# Altium PCB MB1936.PcbDoc (part 4 of 13)
Units mm, origin at the board's own origin, x right, y up, seen from the top; angles counter-clockwise.
Board outline 172 x 137 mm, 6 copper layers (Top Layer, Signal Layer 1, Signal Layer 2, Signal Layer 3, Signal Layer 4, Bottom Layer), stack 1.549 mm thick; 859 components, 672 nets, 3477 pads, 2222 vias.
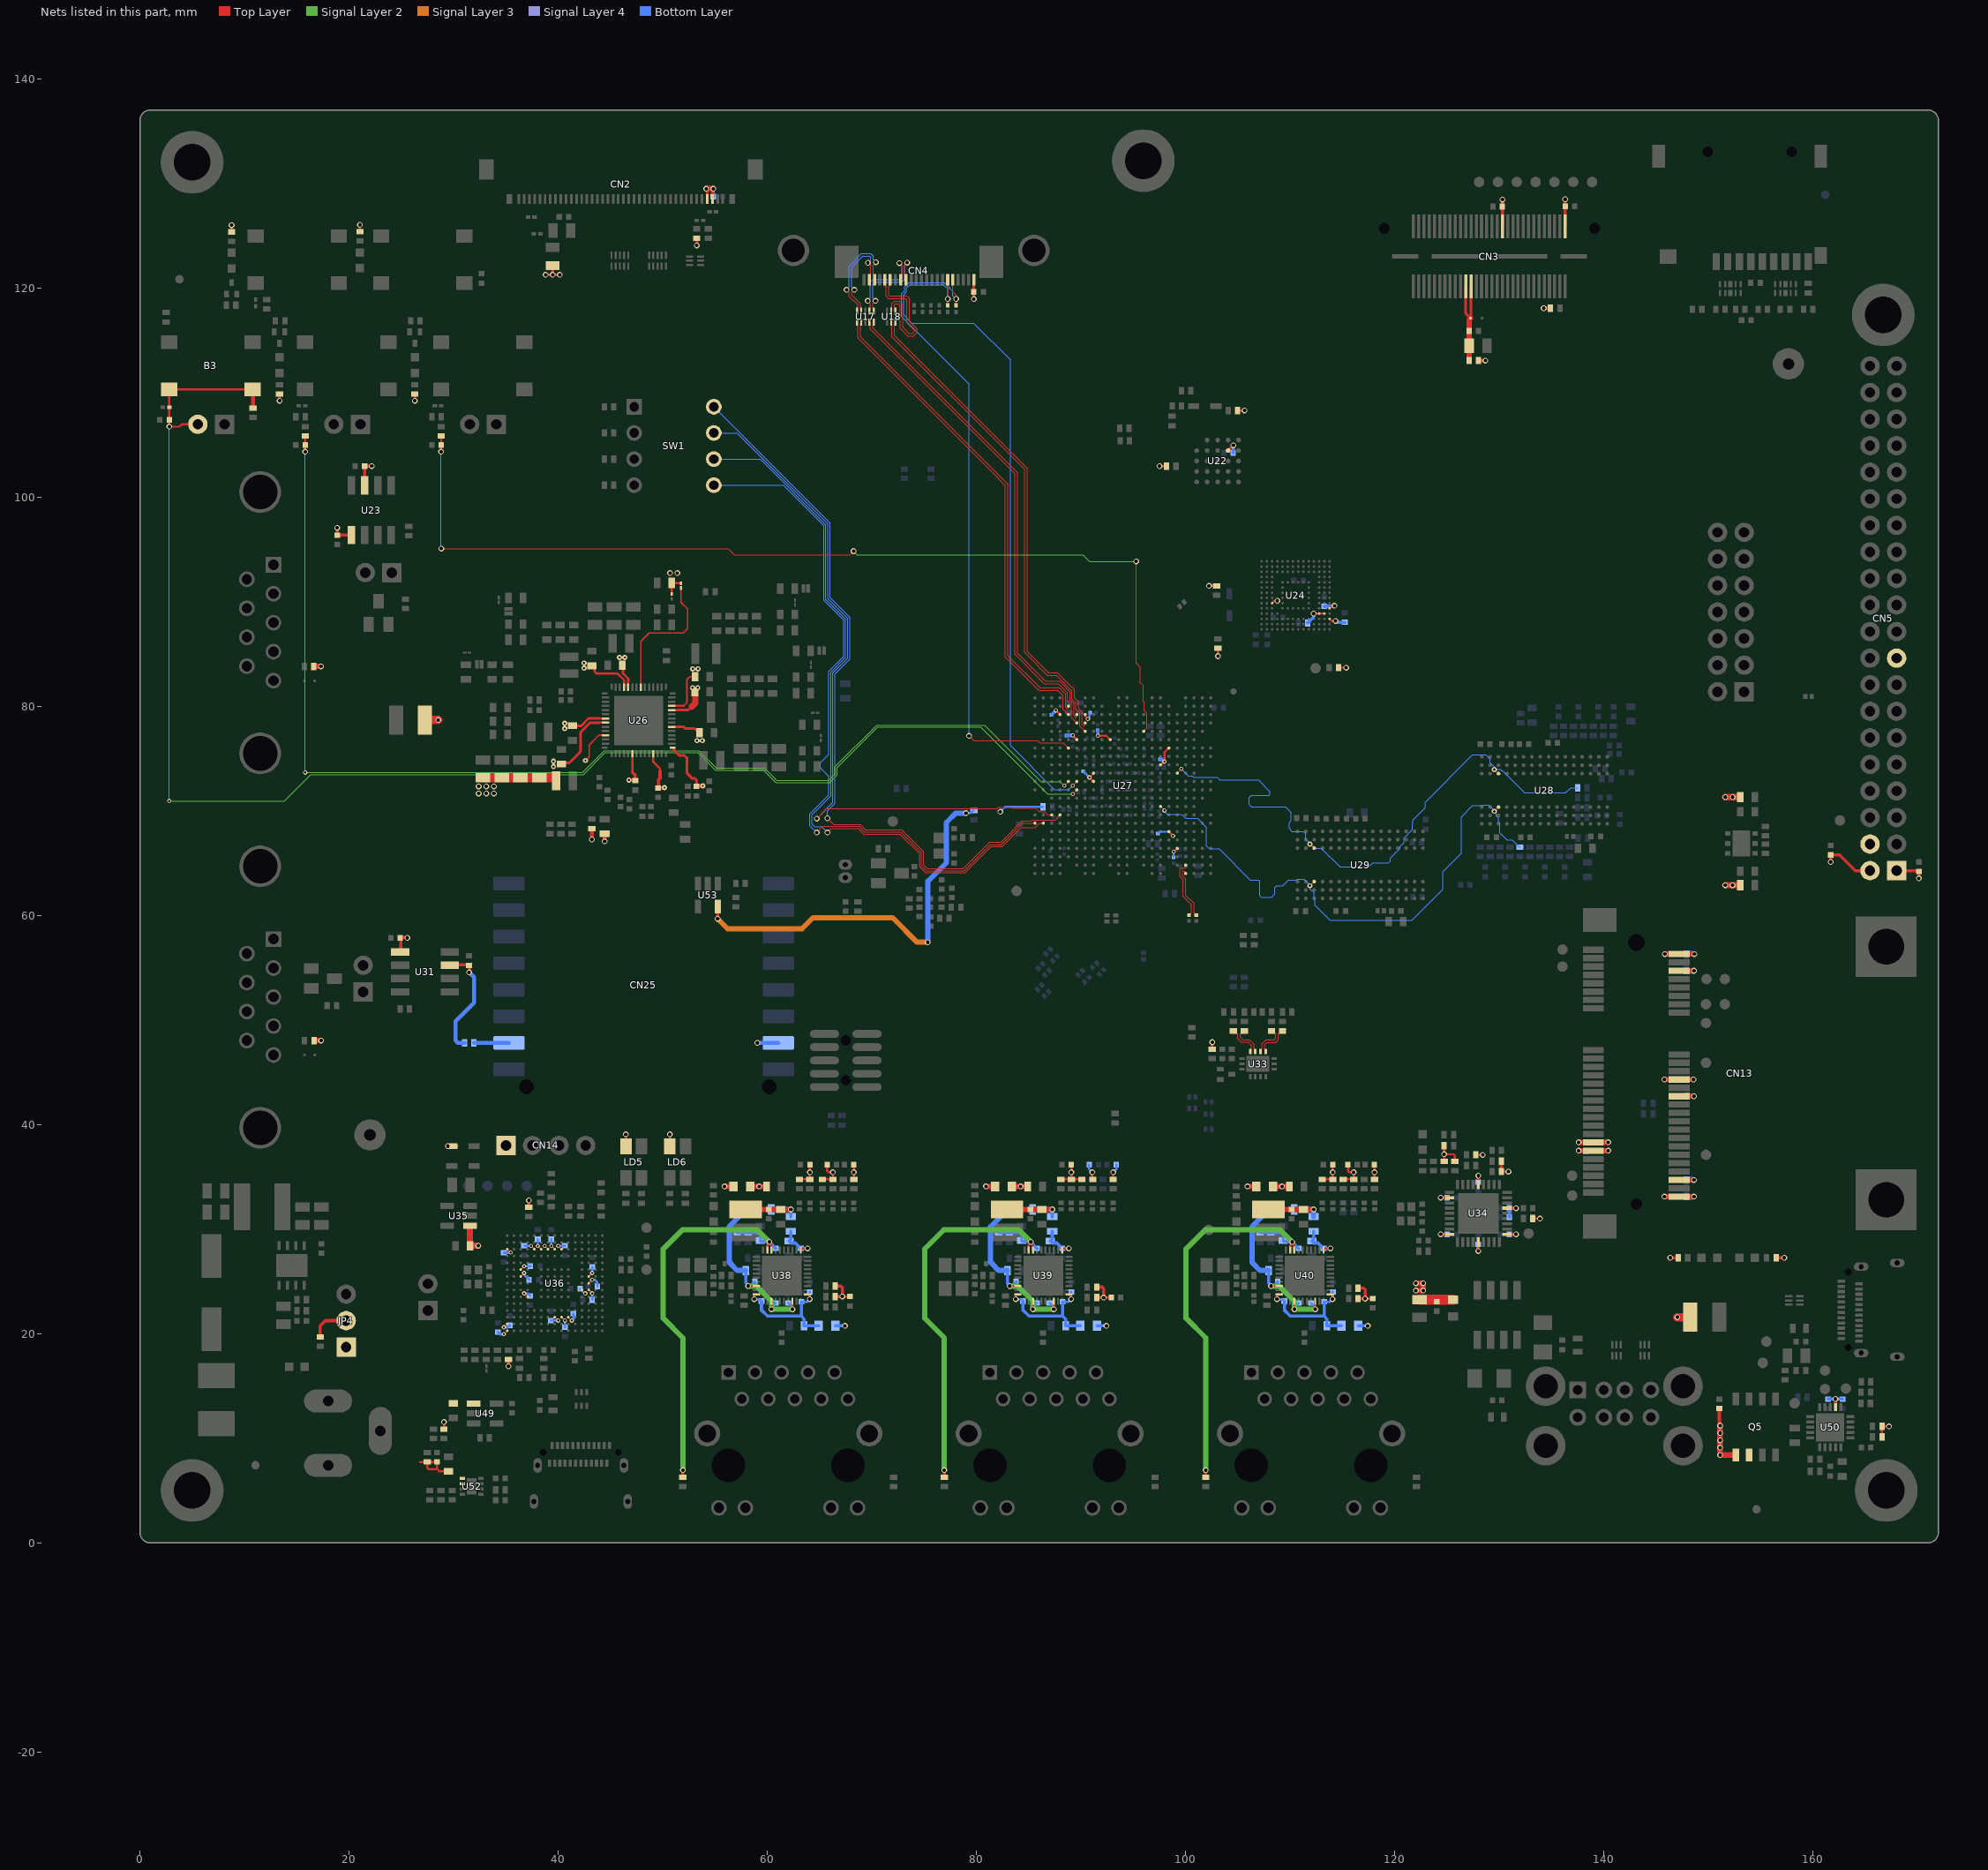
[diagram p8: the nets of this part, all layers, seen from the top]

## Part data (continued)
R93 R182 R183 R184 R188 R189 R190 R289: library part MCD-00052, "Resistor,0R,0402,5%,1/16W", Manufacturer=YAGEO, Manufacturer_Part_Number=RC0402JR-070RL, Package=0402, Component_Country_Of_Origin=China, ComponentLink1Description=Datasheet, ComponentLink1URL=http://tunmcdsvn.tun.st.com/Component_Documentation_Library/Trunk/Resistor/YAGEO_RC_L_Series, ECCN_EU=n/a, ECCN_US=n/a, ID=2540, Initial_Board_Reference=mb1274, Internal_Part_Number=MCD-00052, Order_Code_Digikey=311-0.0JRCT-ND, Order_Code_Farnell=9232516RL, Order_Code_RS=618-5804, Part_Preference=Recommended, Part_Type=Resistor, Provided_By=SUBCO, ShowFields=YES, Status=Released
R94 R135 R136 R137 R138 R139 R140 R141 R142 R143 R144 R145 R146 R147 R148 R149 R150 R151 R152 R161 R162 R163 R164 R165 R166 R167 R168 R169 R173 R174 R175 R176 R177 R178 R179 R180 R185 R186 R187 R196 R197 R198 R247: library part MCD-02978, "Resistor, 22R, 0201, +/-1%, 1/20W", Manufacturer=YAGEO, Manufacturer_Part_Number=RC0201FR-0722RL, Package=0201, ComponentLink1URL=http://tunmcdsvn.tun.st.com/Component_Documentation_Library/Trunk/Resistor/YAGEO_RC_L_Series, ID=5094, Internal_Part_Number=MCD-02978, Order_Code_Digikey=YAG2518TR-ND, Order_Code_Farnell=2693564, Order_Code_RS=198-7593, Part_Preference=Recommended, Part_Type=Resistor, ShowFields=YES, Status=New
R95 R97 R98 R99 R100 R102 R105 R217 R218 R227 R229 R239: library part MCD-00059, "Resistor, 100K, 0402, +/-1%, 1/16W", Manufacturer=YAGEO, Manufacturer_Part_Number=RC0402FR-07100KL, Package=0402, Component_Country_Of_Origin=China, ComponentLink1URL=http://tunmcdsvn.tun.st.com/Component_Documentation_Library/Trunk/Resistor/YAGEO_RC_L_Series, ID=2533, Internal_Part_Number=MCD-00059, Order_Code_Digikey=311-100KLRTR-ND, Order_Code_Farnell=2421891, Order_Code_RS=N/A, Part_Preference=Recommended, Part_Type=Resistor, ShowFields=YES, Status=Released
R108 R109 R110 R111 R112 R113 R114 R115 R116 R117 R118 R119 R120 R121 R122 R123 R124 R292 R293 R294 R295 R296 R297 R298 R299 R300 R301 R302 R303 R304 R305 R306 R307: library part MCD-00065, "Resistor,4K7,0402,1%,1/16W", Alternate_Manufacturer=YAGEO, Alternate_Manufacturer_Part_Number=RT0402FRE074K7L, Manufacturer_Part_Number=RC0402FR-074K7L, Package=R0402, ComponentLink1Description=Datasheet, ComponentLink1URL=http://tunmcdsvn.tun.st.com/Component_Datasheet_Library/Trunk/Resistors/Yageo_Resistor_RC0402-series, ECCN_EU=n/a, ECCN_US=n/a, Initial_Board_Reference=mb1274, Internal_Part_Number=MCD-00065, Manufacturer=YAGEO, Part_Type=Resistor, Provided_By=SUBCO, Status=Released
R130 R132: library part MCD-00062, "Resistor, 330R, 0402, +/-1%, 1/16W", Manufacturer=YAGEO, Manufacturer_Part_Number=RC0402FR-07330RL, Package=0402, Component_Country_Of_Origin=China, ComponentLink1URL=http://tunmcdsvn.tun.st.com/Component_Documentation_Library/Trunk/Resistor/YAGEO_RC_L_Series, ID=2529, Internal_Part_Number=MCD-00062, Order_Code_Digikey=311-330LRCT-ND, Order_Code_Farnell=9239170, Order_Code_RS=N/A, Part_Preference=Recommended, Part_Type=Resistor, ShowFields=YES, Status=Released
R131 R133: library part MCD-02665, "Resistor, 1K, 0402, +/-0.1%, 1/16W, +/-25ppm/°C", Manufacturer=YAGEO, Manufacturer_Part_Number=RT0402BRD071KL, Package=0402, ComponentLink1URL=http://tunmcdsvn.tun.st.com/Component_Documentation_Library/Trunk/Resistor/YAGEO_RT_Series, ID=4771, Internal_Part_Number=MCD-02665, Order_Code_Digikey=YAG1386TR-ND, Order_Code_Farnell=3496475, Order_Code_RS=199-1298, Part_Preference=Recommended, Part_Type=Resistor, ShowFields=YES, Status=Checked
R134 R153 R207 R209: library part MCD-00455, "Resistor, 33R, 0402, +/-1%, 1/16W", Manufacturer=YAGEO, Manufacturer_Part_Number=RC0402FR-0733RL, Package=0402, Component_Country_Of_Origin=China, ComponentLink1URL=http://tunmcdsvn.tun.st.com/Component_Documentation_Library/Trunk/Resistor/YAGEO_RC_L_Series, ID=2821, Internal_Part_Number=MCD-00455, Order_Code_Digikey=311-33.0LRCT-ND, Order_Code_Farnell=9239057, Order_Code_RS=N/A, Part_Preference=Recommended, Part_Type=Resistor, ShowFields=YES, Status=Released
R158 R159 R160 R315 R317 R319 R320 R321 R322: library part MCD-00065, "Resistor,4K7,0402,1%,1/16W", Alternate_Manufacturer=YAGEO, Alternate_Manufacturer_Part_Number=RT0402FRE074K7L, Manufacturer_Part_Number=RC0402FR-074K7L, Package=0402, Component_Country_Of_Origin=China, ComponentLink1Description=Datasheet, ComponentLink1URL=http://tunmcdsvn.tun.st.com/Component_Documentation_Library/Trunk/Resistor/YAGEO_RC_L_Series, ECCN_EU=n/a, ECCN_US=n/a, ID=2526, Initial_Board_Reference=mb1274, Internal_Part_Number=MCD-00065, Manufacturer=YAGEO, Order_Code_Digikey=311-4.7KLRCT-ND, Order_Code_Farnell=9239316, Order_Code_RS=N/A, Part_Preference=Recommended, Part_Type=Resistor, Provided_By=SUBCO, ShowFields=YES, Status=Released
R170: library part MCD-00187, "Resistor, 12K, 0402, +/-1%, 1/16W", Manufacturer=YAGEO, Manufacturer_Part_Number=RC0402FR-0712KL, Package=0402, BMS_Part_Number=9131030, Component_Country_Of_Origin=China, ComponentLink1URL=http://tunmcdsvn.tun.st.com/Component_Documentation_Library/Trunk/Resistor/YAGEO_RC_L_Series, ID=2678, Internal_Part_Number=MCD-00187, Order_Code_Digikey=311-12.0KLRCT-ND, Order_Code_Farnell=9239367, Order_Code_RS=N/A, Part_Preference=Recommended, Part_Type=Resistor, ShowFields=YES, Status=Released
R191 R192 R193 R195 R202 R203 R260 R261 R314 R316 R318: library part MCD-00068, "Resistor,1K5,0402,1%,1/16W", Manufacturer=YAGEO, Manufacturer_Part_Number=RC0402FR-071K5L, Package=0402, Component_Country_Of_Origin=China, ComponentLink1Description=Datasheet, ComponentLink1URL=http://tunmcdsvn.tun.st.com/Component_Documentation_Library/Trunk/Resistor/YAGEO_RC_L_Series, ID=2524, Internal_Part_Number=MCD-00068, Order_Code_Digikey=311-1.50KLRCT-ND, Order_Code_Farnell=9239251, Order_Code_RS=N/A, Part_Preference=Recommended, Part_Type=Resistor, ShowFields=YES, Status=Released
  R191 R192 R193 R195 R202 R203 R314 R316 R318: ECCN_EU=n/a, ECCN_US=n/a, Initial_Board_Reference=mb1274, Provided_By=SUBCO
R194: library part MCD-00185, "Resistor, 3K, 0402, +/-1%, 1/16W", Manufacturer=YAGEO, Manufacturer_Part_Number=RC0402FR-073KL, Package=0402, Component_Country_Of_Origin=China, ComponentLink1URL=http://tunmcdsvn.tun.st.com/Component_Documentation_Library/Trunk/Resistor/YAGEO_RC_L_Series, ID=2682, Internal_Part_Number=MCD-00185, Order_Code_Digikey=311-3KLRCT-ND, Order_Code_Farnell=1458777, Order_Code_RS=N/A, Part_Preference=Recommended, Part_Type=Resistor, ShowFields=YES, Status=Released
R199 R200 R201: library part MCD-00183, "Resistor,2K49,0402,1%,1/16W", Manufacturer=YAGEO, Manufacturer_Part_Number=RC0402FR-072K49L, Package=0402, Component_Country_Of_Origin=China, ComponentLink1Description=Datasheet, ComponentLink1URL=http://tunmcdsvn.tun.st.com/Component_Documentation_Library/Trunk/Resistor/YAGEO_RC_L_Series, ECCN_EU=n/a, ECCN_US=n/a, ID=2687, Internal_Part_Number=MCD-00183, Order_Code_Digikey=311-2.49KLRCT-ND, Order_Code_Farnell=1799190, Order_Code_RS=N/A, Part_Preference=Recommended, Part_Type=Resistor, Provided_By=SUBCO, ShowFields=YES, Status=Released
R204: library part MCD-00421, "Resistor,20K,0402,1%,1/16W", Alternate_Manufacturer=N/A, Manufacturer=YAGEO, Manufacturer_Part_Number=RC0402FR-0720KL, Package=0402, Alternate_Manufacturer_Part_Number=N/A, Component_Country_Of_Origin=China, ComponentLink1Description=Part_Information, ComponentLink1URL=http://tunmcdsvn.tun.st.com/Component_Documentation_Library/Trunk/Resistor/YAGEO_RC_L_Series, ID=2858, Internal_Part_Number=MCD-00421, Order_Code_Digikey=311-20.0KLRCT-ND, Order_Code_Farnell=1799191, Order_Code_RS=N/A, Part_Preference=Recommended, Part_Type=Resistor, ShowFields=YES, Status=Released
R208: library part MCD-00367, "Resistor,110K,0402,1%,1/16W", Alternate_Manufacturer=N/A, Manufacturer=YAGEO, Manufacturer_Part_Number=RC0402FR-07110KL, Package=0402, Alternate_Manufacturer_Part_Number=N/A, Component_Country_Of_Origin=China, ComponentLink1Description=Part_Information, ComponentLink1URL=http://tunmcdsvn.tun.st.com/Component_Documentation_Library/Trunk/Resistor/YAGEO_RC_L_Series, ID=2912, Internal_Part_Number=MCD-00367, Order_Code_Digikey=311-110KLRCT-ND, Order_Code_Farnell=1458740, Order_Code_RS=N/A, Part_Preference=Recommended, Part_Type=Resistor, ShowFields=YES, Status=Released
R216 R221 R222: library part MCD-00333, "Resistor, 5K1, 0402, +/-1%, 1/16W", Manufacturer=YAGEO, Manufacturer_Part_Number=RC0402FR-075K1L, Package=0402, Component_Country_Of_Origin=China, ComponentLink1URL=http://tunmcdsvn.tun.st.com/Component_Documentation_Library/Trunk/Resistor/YAGEO_RC_L_Series, ID=2944, Internal_Part_Number=MCD-00333, Order_Code_Digikey=311-5.10KLRCT-ND, Order_Code_Farnell=1458805, Order_Code_RS=N/A, Part_Preference=Recommended, Part_Type=Resistor, ShowFields=YES, Status=Released
R219: library part MCD-02335, "Resistor, 140K, 0402, +/-1%, 1/16W", Manufacturer=YAGEO, Manufacturer_Part_Number=RC0402FR-07140KL, Package=0402, Component_Country_Of_Origin=China, ComponentLink1URL=http://tunmcdsvn.tun.st.com/Component_Documentation_Library/Trunk/Resistor/YAGEO_RC_L_Series, ID=4441, Internal_Part_Number=MCD-02335, Order_Code_Digikey=YAG2978CT-ND, Order_Code_Farnell=N/A, Order_Code_RS=N/A, Part_Preference=Recommended, Part_Type=Resistor, ShowFields=YES, Status=Checked
R225: library part MCD-02232, "Resistor, 22mR, 0603, +/-1%, 1/3W", Manufacturer=PANASONIC, Manufacturer_Part_Number=ERJ-3BWFR022V, Package=0603, Component_Country_Of_Origin=Japan, ComponentLink1URL=http://tunmcdsvn.tun.st.com/Component_Documentation_Library/Trunk/Resistor/PANASONIC_ERJ_Series, ID=4332, Internal_Part_Number=MCD-02232, Order_Code_Digikey=P17462CT-ND, Order_Code_Farnell=1798578, Order_Code_RS=763-8671P, Part_Preference=Recommended, Part_Type=Resistor, ShowFields=YES, Status=Checked
R231: library part MCD-00435, "Resistor, 24K, 0402, +/-1%, 1/16W", Manufacturer=YAGEO, Manufacturer_Part_Number=RC0402FR-0724KL, Package=0402, Component_Country_Of_Origin=China, ComponentLink1URL=http://tunmcdsvn.tun.st.com/Component_Documentation_Library/Trunk/Resistor/YAGEO_RC_L_Series, ID=2845, Internal_Part_Number=MCD-00435, Order_Code_Digikey=311-24KLRCT-ND, Order_Code_Farnell=N/A, Order_Code_RS=N/A, Part_Preference=Recommended, Part_Type=Resistor, ShowFields=YES, Status=Released
R232 R327: library part MCD-02265, "Resistor,100K,0402,0.5%,1/16W", Manufacturer=YAGEO, Manufacturer_Part_Number=RC0402DR-07100KL, Package=0402, Component_Country_Of_Origin=China, ComponentLink1URL=http://tunmcdsvn.tun.st.com/Component_Datasheet_Library/Trunk/Resistors/Yageo_Resistor_RC0402-series, ID=4365, Internal_Part_Number=MCD-02265, Order_Code_Digikey=13-RC0402DR-07100KLTR-ND, Order_Code_Farnell=N/A, Order_Code_RS=N/A, Part_Preference=Recommended, Part_Type=Resistor, ShowFields=YES, Status=Released
R233 R234 R235 R236 R237 R238: library part MCD-00064, "Resistor,510R,0402,1%,1/16W", Manufacturer=YAGEO, Manufacturer_Part_Number=RC0402FR-07510RL, Package=0402, Component_Country_Of_Origin=China, ComponentLink1Description=Datasheet, ComponentLink1URL=http://tunmcdsvn.tun.st.com/Component_Documentation_Library/Trunk/Resistor/YAGEO_RC_L_Series, ECCN_EU=n/a, ECCN_US=n/a, ID=2525, Initial_Board_Reference=mb1274, Internal_Part_Number=MCD-00064, Order_Code_Digikey=311-510LRCT-ND, Order_Code_Farnell=1458804, Order_Code_RS=N/A, Part_Preference=Recommended, Part_Type=Resistor, Provided_By=SUBCO, ShowFields=YES, Status=Released
R240: library part MCD-00381, "Resistor, 1K3, 0402, +/-1%, 1/16W", Manufacturer=YAGEO, Manufacturer_Part_Number=RC0402FR-071K3L, Package=0402, Component_Country_Of_Origin=China, ComponentLink1URL=http://tunmcdsvn.tun.st.com/Component_Documentation_Library/Trunk/Resistor/YAGEO_RC_L_Series, ID=2898, Internal_Part_Number=MCD-00381, Order_Code_Digikey=YAG3036CT-ND, Order_Code_Farnell=1799176, Order_Code_RS=N/A, Part_Preference=Recommended, Part_Type=Resistor, ShowFields=YES, Status=Released
R241: library part MCD-00409, "Resistor, 1K8, 0402, +/-1%, 1/16W", Manufacturer=YAGEO, Manufacturer_Part_Number=RC0402FR-071K8L, Package=0402, Component_Country_Of_Origin=China, ComponentLink1URL=http://tunmcdsvn.tun.st.com/Component_Documentation_Library/Trunk/Resistor/YAGEO_RC_L_Series, ID=2871, Internal_Part_Number=MCD-00409, Order_Code_Digikey=311-1.80KLRCT-ND, Order_Code_Farnell=9239260, Order_Code_RS=N/A, Part_Preference=Recommended, Part_Type=Resistor, ShowFields=YES, Status=Released
R242: library part MCD-02455, "Resistor, 3K9, 0402, +/-1%, 1/16W, +/-100ppm/°C", Manufacturer=YAGEO, Manufacturer_Part_Number=RC0402FR-073K9L, Package=0402, Component_Country_Of_Origin=China, ComponentLink1URL=http://tunmcdsvn.tun.st.com/Component_Documentation_Library/Trunk/Resistor/YAGEO_RC0402_Series, ID=4561, Internal_Part_Number=MCD-02455, Order_Code_Digikey=311-3.90KLRTR-ND, Order_Code_Farnell=9239308, Order_Code_RS=198-7783, Part_Preference=Recommended, Part_Type=Resistor, ShowFields=YES, Status=Released
R243: library part MCD-00483, "Resistor, 470K, 0402, +/-1%, 1/16W", Manufacturer=YAGEO, Manufacturer_Part_Number=RC0402FR-07470KL, Package=0402, Component_Country_Of_Origin=China, ComponentLink1URL=http://tunmcdsvn.tun.st.com/Component_Documentation_Library/Trunk/Resistor/YAGEO_RC_L_Series, ID=2797, Internal_Part_Number=MCD-00483, Order_Code_Digikey=311-470KLRCT-ND, Order_Code_Farnell=9239553, Order_Code_RS=N/A, Part_Preference=Recommended, Part_Type=Resistor, ShowFields=YES, Status=Released
R244: library part MCD-00495, "Resistor, 560K, 0402, +/-1%, 1/16W", Manufacturer=YAGEO, Manufacturer_Part_Number=RC0402FR-07560KL, Package=0402, Component_Country_Of_Origin=China, ComponentLink1URL=http://tunmcdsvn.tun.st.com/Component_Documentation_Library/Trunk/Resistor/YAGEO_RC_L_Series, ID=2779, Internal_Part_Number=MCD-00495, Order_Code_Digikey=311-560KLRCT-ND, Order_Code_Farnell=1458810, Order_Code_RS=N/A, Part_Preference=Recommended, Part_Type=Resistor, ShowFields=YES, Status=Released
R249: library part MCD-00056, "Resistor, 0R, 0603, +/-5%, 1/10W", Manufacturer=YAGEO, Manufacturer_Part_Number=RC0603JR-070RL, Package=0603, Component_Country_Of_Origin=China, ComponentLink1URL=http://tunmcdsvn.tun.st.com/Component_Documentation_Library/Trunk/Resistor/YAGEO_RC_L_Series, ID=2536, Internal_Part_Number=MCD-00056, Order_Code_Digikey=311-0.0GRCT-ND, Order_Code_Farnell=9233130RL, Order_Code_RS=N/A, Part_Preference=Recommended, Part_Type=Resistor, ShowFields=YES, Status=Released
R250 R251 R274 R285 R287: library part MCD-00417, "Resistor, 200R, 0402, +/-1%, 1/16W", Manufacturer=YAGEO, Manufacturer_Part_Number=RC0402FR-07200RL, Package=0402, Component_Country_Of_Origin=China, ComponentLink1URL=http://tunmcdsvn.tun.st.com/Component_Documentation_Library/Trunk/Resistor/YAGEO_RC_L_Series, ID=2860, Internal_Part_Number=MCD-00417, Order_Code_Digikey=311-200LRCT-ND, Order_Code_Farnell=1458756, Order_Code_RS=N/A, Part_Preference=Recommended, Part_Type=Resistor, ShowFields=YES, Status=Released
R253 R254 R255 R256 R257 R258 R259 R263 R264 R265 R266 R268 R271 R273 R275 R276 R277 R278 R279 R280 R281 R282 R283 R284: library part MCD-00054, "Resistor, 56R, 0402, +/-1%, 1/16W", Alternate_Manufacturer=N/A, Manufacturer=YAGEO, Manufacturer_Part_Number=RC0402FR-0756RL, Package=0402, Alternate_Manufacturer_Part_Number=N/A, ComponentLink1URL=http://tunmcdsvn.tun.st.com/Component_Documentation_Library/Trunk/Resistor/YAGEO_RC_L_Series, Internal_Part_Number=MCD-00054, Order_Code_Digikey=311-56.0LRCT-ND, Order_Code_Farnell=9239081, Order_Code_RS=N/A, Part_Preference=Recommended, Part_Type=Resistor, Status=Released
R270: library part MCD-01819, "Resistor,100R,0402,0,5%,1/16W,±100ppm/°C", Alternate_Manufacturer=N/A, Manufacturer=YAGEO, Manufacturer_Part_Number=RC0402DR-07100RL, Package=0402, Alternate_Manufacturer_Part_Number=N/A, ComponentLink1Description=Datasheet, ComponentLink1URL=http://tunmcdsvn.tun.st.com/Component_Documentation_Library/Trunk/Resistor/YAGEO_RC_L_Series, Internal_Part_Number=MCD-01819, Order_Code_Digikey=RC0402DR-07100RL-ND, Order_Code_Farnell=N/A, Order_Code_RS=N/A, Part_Preference=Recommended, Part_Type=Resistor, Status=Released
R308 R309 R310 R311 R312 R313: library part MCD-00056, "Resistor,0R,0603,5%,1/10W", Manufacturer=YAGEO, Manufacturer_Part_Number=RC0603JR-070RL, Package=0603, Component_Country_Of_Origin=China, ComponentLink1Description=Datasheet, ComponentLink1URL=http://tunmcdsvn.tun.st.com/Component_Documentation_Library/Trunk/Resistor/YAGEO_RC_L_Series, ECCN_EU=n/a, ECCN_US=n/a, ID=2536, Initial_Board_Reference=mb1274, Internal_Part_Number=MCD-00056, Order_Code_Digikey=311-0.0GRCT-ND, Order_Code_Farnell=9233130RL, Order_Code_RS=N/A, Part_Preference=Recommended, Part_Type=Resistor, Provided_By=SUBCO, ShowFields=YES, Status=Released
R325: library part MCD-00182, "Resistor, 1M, 0402, +/-1%, 1/16W", Manufacturer=YAGEO, Manufacturer_Part_Number=RC0402FR-071ML, Package=0402, BMS_Part_Number=9131778, Component_Country_Of_Origin=China, ComponentLink1URL=http://tunmcdsvn.tun.st.com/Component_Documentation_Library/Trunk/Resistor/YAGEO_RC_L_Series, ID=2686, Internal_Part_Number=MCD-00182, Order_Code_Digikey=311-1.00MLRCT-ND, Order_Code_Farnell=9239588, Order_Code_RS=618-6194, Part_Preference=Recommended, Part_Type=Resistor, ShowFields=YES, Status=Released
SB1: library part MCD-00071, "Solder Bridge ON", Manufacturer=YAGEO, Manufacturer_Part_Number=RC0603JR-070RL, Package=SB0603, ComponentLink1URL=http://tunmcdsvn.tun.st.com/Component_Datasheet_Library/Trunk/Resistors/Yageo_Resistor_RC0603-series, ID=2521, Internal_Part_Number=MCD-00071, Part_Preference=Recommended, Part_Type=Misc, ShowFields=YES, Status=Released
SB2 SB3: library part MCD-01618, "Solder Bridge 0402 ON", Manufacturer=YAGEO, Manufacturer_Part_Number=RC0402JR-070RL, Package=SB0402, Component_Country_Of_Origin=China, ComponentLink1Description=Datasheet, ComponentLink1URL=http://tunmcdsvn.tun.st.com/Component_Datasheet_Library/Trunk/Resistors/Yageo_Resistor_RC0402-series, ID=3718, Internal_Part_Number=MCD-01618, Order_Code_Digikey=311-0.0JRTR-ND, Order_Code_Farnell=2363467, Order_Code_RS=618-5804, Part_Preference=Recommended, Part_Type=Misc, Provided_By=SUBCO, ShowFields=YES, Status=Released
SW1: library part MCD-02256, "Quad SPST switch, TH, 2.54mm pitch, height 7.5mm", Alternate_Manufacturer="TE Connectivity", Alternate_Manufacturer_Part_Number=5435640-2, Manufacturer=GRAYHILL, Package="DIP8 2.54mm pitch", Component_Country_Of_Origin=China, ComponentLink1Description=Part_Information, ComponentLink1URL=http://tunmcdsvn.tun.st.com/Component_Datasheet_Library/Trunk/Misc/GRAYHILL_DIP_Series_76_SPST, ID=4356, Internal_Part_Number=MCD-02256, Manufacturer_Part_Number=76SB04ST, Order_Code_Digikey=GH7169-ND, Order_Code_Farnell=9479007, Order_Code_RS=878-0230, Part_Preference=Recommended, Part_Type=Misc, ShowFields=YES, Status=Released
TP1 TP2 TP3 TP4 TP5 TP6 TP7 TP34 TP36 TP37 TP38 TP39: library part MCD-00074, "Test Point 1mm", Manufacturer=N/A, Manufacturer_Part_Number=n/a, ComponentLink1URL=http://na, ID=2518, Internal_Part_Number=MCD-00074, Order_Code_Digikey=N/A, Order_Code_Farnell=N/A, Order_Code_RS=N/A, Part_Preference=Recommended, Part_Type=Misc, ShowFields=YES, Status=Released
TP8 TP22: library part MCD-00713, "Vero Technologies 1.02mm Black Terminal Post", Manufacturer=VERO, Manufacturer_Part_Number=20-2137, ComponentLink1URL=http://tunmcdsvn.tun.st.com/Component_Datasheet_Library/Trunk/Misc/Vero_TestPin_20-2137, Internal_Part_Number=MCD-00713, Order_Code_RS=101-2391, Part_Preference=Recommended, Part_Type=Misc, Status=Released
  TP8: Component_Country_Of_Origin="United Kingdom", ID=3032, ShowFields=YES
  TP22: ComponentLink1Description=Datasheet, ECCN_EU=n/a, ECCN_US=n/a, Provided_By=SUBCO
TP9 TP11 TP12 TP13 TP14 TP15 TP16 TP17 TP18 TP19 TP20 TP21 TP23 TP24 TP25 TP26 TP27 TP28 TP29 TP30 TP31 TP32 TP35: library part MCD-00074, "Test Point 1mm", Manufacturer=n/a, ComponentLink1URL=http://na, ID=2518, Internal_Part_Number=MCD-00074, Manufacturer_Part_Number=n/a, Order_Code_Digikey=N/A, Order_Code_Farnell=N/A, Order_Code_RS=N/A, Part_Preference=Recommended, Part_Type=Misc, ShowFields=YES, Status=Released
  TP9: ComponentLink1Description=Datasheet, ECCN_EU=n/a, ECCN_US=n/a, Provided_By=n/a
  TP11 TP12 TP13 TP30 TP31 TP35: ComponentLink1Description=Datasheet, ECCN_EU=n/a, ECCN_US=n/a, Initial_Board_Reference=MB1274, Provided_By=n/a
TP10: library part MCD-00631, "Test Point 0.6mm", Manufacturer=N/A, Internal_Part_Number=MCD-00631, Manufacturer_Part_Number=N/A, Part_Preference=Recommended, Part_Type=Misc, Status=Released
TP33: library part MCD-00074, "Test Point 1mm", Manufacturer=N/A, ComponentLink1URL=http://na, ID=2518, Internal_Part_Number=MCD-00074, Manufacturer_Part_Number=N/A, Order_Code_Digikey=N/A, Order_Code_Farnell=N/A, Order_Code_RS=N/A, Part_Preference=Recommended, Part_Type=Misc, ShowFields=YES, Status=Released
U1 U2 U3 U4 U10 U11 U12 U13 U14 U15 U16 U19 U20 U21: library part MCD-00170, "ESD protection 6V1", Manufacturer=STMICROELECTRONICS, Manufacturer_HQ_COO=EU, Manufacturer_Part_Number=ESDALC6V1-1U2, BMS_Part_Number=9151132, Component_Country_Of_Origin=China, ComponentLink1URL=http://tunmcdsvn.tun.st.com/Component_Datasheet_Library/Trunk/Diodes/STM_ESD_ESDALC6V1-1U2, ID=2696, Internal_Part_Number=MCD-00170, Part_Preference=Recommended, Part_Type=Diode, ShowFields=YES, Status=Released
  U10 U19 U20 U21: ComponentLink1Description=Datasheet
U5 U6 U17: library part MCD-03059, "ESD protection & Common Filter High Speed serial Interfaces , 0.4 pitch", Manufacturer=STMICROELECTRONICS, Package=uQFN-10L, Component_Country_Of_Origin=China, ComponentLink1Description=Datasheet, ComponentLink1URL=http://tunmcdsvn.tun.st.com/Component_Documentation_Library/Trunk/IC/STMICROELECTRONICS_ECMF4-40A100N10, ID=5175, Internal_Part_Number=MCD-03059, Manufacturer_Part_Number=ECMF4-40A100N10, Order_Code_Digikey=497-ECMF4-40A100N10, Order_Code_Farnell=N/A, Order_Code_RS=N/A, Part_Preference=Recommended, Part_Type=IC, ShowFields=YES, Status=Checked
U7 U18 U42 U45 U46: library part MCD-03060, "ESD protection & Common Filter High Speed serial Interfaces , 0.4 pitch", Manufacturer=STMICROELECTRONICS, Package=uQFN-6, Component_Country_Of_Origin=China, ComponentLink1Description=Datasheet, ComponentLink1URL=http://tunmcdsvn.tun.st.com/Component_Documentation_Library/Trunk/IC/STMICROELECTRONICS_ECMF4-40A100N10, ID=5176, Internal_Part_Number=MCD-03060, Manufacturer_Part_Number=ECMF2-40A100N6, Order_Code_Digikey=497-ECMF2-40A100N6, Order_Code_Farnell=3993603, Order_Code_RS=N/A, Part_Preference=Recommended, Part_Type=IC, ShowFields=YES, Status=Checked
U8 U9: library part MCD-00667, "4-line ESD protection for high speed lines", Manufacturer=STMICROELECTRONICS, Manufacturer_HQ_COO=EU, Package=uQFN-10L, BMS_Part_Number=9179041, Component_Country_Of_Origin=Philippines, ComponentLink1Description=Datasheet, ComponentLink1URL=http://tunmcdsvn.tun.st.com/Component_Datasheet_Library/Trunk/Diodes/STM_ESD_HSP051-4M10, ECCN_EU=NEC, ECCN_US=EAR99, ID=3081, Internal_Part_Number=MCD-00667, Manufacturer_Part_Number=HSP051-4M10, Part_Preference=Recommended, Part_Type=Diode, Provided_By="SUBCO with ST control", ShowFields=YES, Status=Released
U22: library part MCD-00114, "Memory,Serial-NOR,512Mb,3V", Manufacturer=MACRONIX, ComponentLink1Description=Datasheet, ComponentLink1URL=http://tunmcdsvn.tun.st.com/Component_Datasheet_Library/Trunk/IC/Macronix_SerialNOR_MX25L51245Gver13, ECCN_EU=tbd, ECCN_US=tbd, Internal_Part_Number=MCD-00114, Manufacturer_Part_Number=MX25L51245G, Part_Type=IC, Provided_By=SUBCO, Status=Released
U23 U31: library part MCD-00129, "High-Speed CAN Flexible Data Rate Transceiver", Manufacturer=MICROCHIP, Manufacturer_Part_Number=MCP2562FDT-H/SN, Component_Country_Of_Origin=Unknown, ComponentLink1Description=Datasheet, ComponentLink1URL="http://tunmcdsvn.tun.st.com/Component_Datasheet_Library/Trunk/IC/Microchip_CAN Transceiver_MCP2562FD", ID=2737, Internal_Part_Number=MCD-00129, Order_Code_Digikey=N/A, Order_Code_Farnell=N/A, Order_Code_RS=N/A, Part_Preference=Recommended, Part_Type=IC, Provided_By=SUBCO, ShowFields=YES, Status=Released
U24: library part MCD-02799, "Memory, eMMC, 4GB, 15nm ,WFBGA , 153 pins", Manufacturer=KIOXIA, Manufacturer_Part_Number=THGBMTG5D1LBAIL, Package=WFBGA153, ComponentLink1URL=http://tunmcdsvn.tun.st.com/Component_Documentation_Library/Trunk/IC/KIOXIA_THGBMTG5D1LBAIL, ID=4911, Internal_Part_Number=MCD-02799, Order_Code_Digikey=N/A, Order_Code_Farnell=N/A, Order_Code_RS=N/A, Part_Preference=Recommended, Part_Type=IC, ShowFields=YES, Status=New
U25 U32: library part MCD-00143, "Automotive dual-line Transil. ESD CAN", Manufacturer=STMICROELECTRONICS, Manufacturer_HQ_COO=EU, Manufacturer_Part_Number=ESDCAN24-2BLY, BMS_Part_Number=9179002, Component_Country_Of_Origin=China, ComponentLink1Description=Datasheet, ComponentLink1URL="http://tunmcdsvn.tun.st.com/Component_Datasheet_Library/Trunk/Diodes/STM_ESD CAN_ESDCAN24-2BLY", ID=2726, Internal_Part_Number=MCD-00143, Order_Code_Digikey=N/A, Order_Code_Farnell=N/A, Order_Code_RS=N/A, Part_Preference=Recommended, Part_Type=IC, Provided_By="SUBCO with ST control", ShowFields=YES, Status=Released
U26: library part MCD-03000, Manufacturer=STMICROELECTRONICS, Manufacturer_Part_Number=STPMIC25A, Package=VQFN, Component_Country_Of_Origin=Unknown, ComponentLink1Description=Datasheet, ComponentLink1URL=http://tunmcdsvn.tun.st.com/Component_Documentation_Library/Trunk/IC/STMICROELECTRONICS_STPMIC2, ID=5116, Internal_Part_Number=MCD-03000, Order_Code_Digikey=N/A, Order_Code_Farnell=N/A, Order_Code_RS=N/A, Part_Preference=Recommended, Part_Type=IC, ShowFields=YES, Status=Checked
U27: library part MCD-02000, "MPU, ARM Cortex-A35 + M33 32-bit MPU, 808KB RAM, With Crypto", Manufacturer=STMICROELECTRONICS, Manufacturer_HQ_COO=EU, Package=LFBGA-436, Component_Country_Of_Origin=Unknown, ComponentLink1URL=http://tunmcdsvn.tun.st.com/Component_Documentation_Library/Trunk/IC/STMICROELECTRONICS_STM32MP257FAI3, ID=4100, Internal_Part_Number=MCD-02000, Manufacturer_Part_Number=STM32MP257FAI3, Order_Code_Digikey=N/A, Order_Code_Farnell=N/A, Order_Code_RS=N/A, Part_Preference=Recommended, Part_Type=IC, ShowFields=YES, Status=Checked
U28 U29: library part MCD-03523, "Memory, DDR4 SDRAM, 1V2, 16Gbit, FBGA96", Manufacturer=MICRON, Package=FBGA-96, Component_Country_Of_Origin=Taiwan°, ComponentLink1URL=http://tunmcdsvn.tun.st.com/Component_Documentation_Library/Trunk/IC/MICRON_MT40A1G16TB-062E-IT-F, ID=5639, Internal_Part_Number=MCD-03523, Manufacturer_Part_Number="MT40A1G16TB-062E IT:F", Order_Code_Digikey=N/A, Order_Code_Farnell=N/A, Order_Code_RS=N/A, Part_Preference=Recommended, Part_Type=IC, ShowFields=YES, Status=New
U30: library part MCD-00581, "LDO Linear Voltage Regulator IC Positive Adjustable 1 Output Adjustable 1.3A 6-DFN (3x3)", Manufacturer=STMICROELECTRONICS, Manufacturer_HQ_COO=EU, Package="DFN6 (3x3)", BMS_Part_Number=9176239, Component_Country_Of_Origin=Malaysia, ComponentLink1URL=http://tunmcdsvn.tun.st.com/Component_Datasheet_Library/Trunk/IC/STM_LDO_ST1L05BPUR, ID=3163, Internal_Part_Number=MCD-00581, Manufacturer_Part_Number=ST1L05BPUR, Part_Preference=Recommended, Part_Type=IC, ShowFields=YES, Status=Released
U33: library part MCD-02349, "Crystal-less Two Output PCIe Gen1/2/3 Clock Generator 100Mhz , 2.25V to 3.6V, 100ppm", Manufacturer=MICROCHIP, Package="14 QFN", Component_Country_Of_Origin=Unknown, ComponentLink1Description=Datasheet, ComponentLink1URL=http://tunmcdsvn.tun.st.com/Component_Documentation_Library/Trunk/IC/MICROCHIP_DSC557-0344FI0-T/, ID=4455, Internal_Part_Number=MCD-02349, Manufacturer_Part_Number=DSC557-0344FI0-T, Order_Code_Digikey=DSC557-0344FI0TTR-ND, Order_Code_Farnell=N/A, Order_Code_RS=N/A, Part_Preference=Recommended, Part_Type=IC, ShowFields=YES, Status=Checked
U34: library part MCD-00145, "USB HUB 2,0 Controller", Manufacturer=MICROCHIP, Component_Country_Of_Origin=Unknown, ComponentLink1URL="http://tunmcdsvn.tun.st.com/Component_Datasheet_Library/Trunk/IC/Microchip_HS Hub Controller_USB2514B-AEZC", ID=2724, Internal_Part_Number=MCD-00145, Manufacturer_Part_Number=USB2514B-AEZC, Order_Code_Digikey=N/A, Order_Code_Farnell=N/A, Order_Code_RS=N/A, Part_Preference=Recommended, Part_Type=IC, ShowFields=YES, Status=Released
U35: library part MCD-02514, "LDO, 3.3V, 300mA, High input voltage: 2.5V to 28V, SOT23-5L", Manufacturer=STMICROELECTRONICS, Package=SOT23-5L, Component_Country_Of_Origin=Malaysia, ComponentLink1URL=http://tunmcdsvn.tun.st.com/Component_Documentation_Library/Trunk/IC/STMICROELECTRONICS_ST730M33R, ID=4620, Internal_Part_Number=MCD-02514, Manufacturer_Part_Number=ST730M33R, Order_Code_Digikey=N/A, Order_Code_Farnell=N/A, Order_Code_RS=N/A, Part_Preference=Recommended, Part_Type=IC, ShowFields=YES, Status=Released
U36: library part MCD-02706, "MCU, Arm Cortex-M7 32-bit MCU, 512KB Flash, 276KB RAM, With Crypto", Manufacturer=STMICROELECTRONICS, Manufacturer_Part_Number=STM32F723IEK6, Package=BGA176, BMS_Part_Number=9175300, ComponentLink1URL=http://tunmcdsvn.tun.st.com/Component_Documentation_Library/IC/STMICROELECTRONICS_STM32F723IEK6, ID=4812, Internal_Part_Number=MCD-02706, Order_Code_Digikey=497-17186-ND, Order_Code_Farnell=2725149, Order_Code_RS=135-8241, Part_Preference=Recommended, Part_Type=IC, ShowFields=YES, Status=Checked
U37: library part MCD-02219, "3 A DC step-down switching regulator", Manufacturer=STMICROELECTRONICS, Manufacturer_HQ_COO=EU, Package=VFQFPN, Component_Country_Of_Origin=Malaysia, ComponentLink1URL=http://tunmcdsvn.tun.st.com/Component_Datasheet_Library/Trunk/IC/STM_Buck_converter_ST1S40IPUR, ID=4319, Internal_Part_Number=MCD-02219, Manufacturer_Part_Number=ST1S40IPUR, Order_Code_Digikey=497-12084-1-ND, Order_Code_Farnell=NA, Order_Code_RS=NA, Part_Preference=Recommended, Part_Type=IC, ShowFields=YES, Status=Checked
U38 U39 U40: library part MCD-01130, "10/100/1000M GIGABIT Ethernet Transceiver, QFN40 , SMPS version", Manufacturer=REALTEK, Component_Country_Of_Origin=Unknown, ComponentLink1Description=Datasheet, ComponentLink1URL=http://tunmcdsvn.tun.st.com/Component_Datasheet_Library/Trunk/IC/REALTEK_RTL8211F_RGMII_phy, ECCN_EU=n/a, ECCN_US=n/a, ID=3370, Initial_Board_Reference=MB1272, Internal_Part_Number=MCD-01130, Manufacturer_Part_Number=RTL8211F-CG, Part_Preference=Recommended, Part_Type=IC, Provided_By=SUBCO, ShowFields=YES, Status=Checked
U41: library part MCD-00123, "IC,Dual-Channel-Power-Switch,500mA,100mR,SO8", Manufacturer=STMICROELECTRONICS, Manufacturer_HQ_COO=EU, BMS_Part_Number=9159012, Component_Country_Of_Origin=China, ComponentLink1URL=http://tunmcdsvn.tun.st.com/Component_Datasheet_Library/Trunk/IC/STM_PWR_switch_STMPS2252MTR, ID=2746, Internal_Part_Number=MCD-00123, Manufacturer_Part_Number=STMPS2252MTR, Order_Code_Digikey=N/A, Order_Code_Farnell=N/A, Order_Code_RS=N/A, Part_Preference=Recommended, Part_Type=IC, ShowFields=YES, Status=Released
U43 U48: library part MCD-01207, "High power Transient voltage suppressor:25V/35A EOS and ESD transients protection.", Manufacturer=STMICROELECTRONICS, Manufacturer_HQ_COO=EU, Manufacturer_Part_Number=ESDA25P35-1U1M, Package=QFN1610, BMS_Part_Number=9179045, Component_Country_Of_Origin=China, ComponentLink1URL=http://tunmcdsvn.tun.st.com/Component_Datasheet_Library/Trunk/Diodes/STM_ESD_ESDA25P35-1U1M, ID=3289, Internal_Part_Number=MCD-01207, Part_Preference=Recommended, Part_Type=Diode, ShowFields=YES, Status=Released
U44 U51: library part MCD-01026, "High power transient voltage suppressor", Manufacturer=STMICROELECTRONICS, Manufacturer_HQ_COO=EU, Manufacturer_Part_Number=ESDA7P120-1U1M, Package=QFN1610, BMS_Part_Number=9179046, Component_Country_Of_Origin=China, ComponentLink1URL=http://tunmcdsvn.tun.st.com/Component_Datasheet_Library/Trunk/Diodes/STM_ESD_ESDA7P120-1U1M, ID=2997, Internal_Part_Number=MCD-01026, Part_Preference=Recommended, Part_Type=Diode, ShowFields=YES, Status=Released
U47: library part MCD-00649, "Common mode filter with ESD protection for USB 2.0 interface", Manufacturer=STMICROELECTRONICS, Manufacturer_HQ_COO=EU, Manufacturer_Part_Number=ECMF02-2AMX6, BMS_Part_Number=9151138, Component_Country_Of_Origin=China, ComponentLink1URL=http://tunmcdsvn.tun.st.com/Component_Datasheet_Library/Trunk/Diodes/STM_ESD_ECMF02-2AMX6, ID=3094, Internal_Part_Number=MCD-00649, Part_Preference=Recommended, Part_Type=Diode, ShowFields=YES, Status=Released
U49: library part MCD-00159, "500mA, Enhanced single channel power switches with active high enable pin", Alternate_Manufacturer="TEXAS INSTRUMENTS", Alternate_Manufacturer_Part_Number=TPS2051C, Manufacturer=STMICROELECTRONICS, Manufacturer_HQ_COO=EU, BMS_Part_Number=9159009, Component_Country_Of_Origin=Malaysia, ComponentLink1Description=Datasheet, ComponentLink1URL=http://tunmcdsvn.tun.st.com/Component_Documentation_Library/Trunk/IC/STMICROELECTRONICS_STMPS2151STR, ID=2708, Initial_Board_Reference=MB1264, Internal_Part_Number=MCD-00159, Manufacturer_Part_Number=STMPS2151STR, Order_Code_Digikey=497-6934-2-ND, Order_Code_Farnell=1842616, Order_Code_RS=880-5415, Part_Preference=Recommended, Part_Type=IC, Provided_By=Subcon, ShowFields=YES, Status=Released
U50: library part MCD-02130, "USB Type-C Port Protection for USB DRP Power Delivery, PPS compliant", Manufacturer=STMICROELECTRONICS, Manufacturer_HQ_COO=EU, Package=QFN-20L, Component_Country_Of_Origin=Unknown, ComponentLink1URL=http://tunmcdsvn.tun.st.com/Component_Documentation_Library/Trunk/IC/STMICROELECTRONICS_TCPP03-M20, ID=4230, Internal_Part_Number=MCD-02130, Manufacturer_Part_Number=TCPP03-M20, Order_Code_Digikey=N/A, Order_Code_Farnell=N/A, Order_Code_RS=N/A, Part_Preference=Recommended, Part_Type=IC, ShowFields=YES, Status=Released
U52: library part MCD-02532, "IC, eFuse with Fast Overvoltage Protection 2.7V to 18V 4A 34mOhm 8-Pin WSON", Manufacturer="TEXAS INSTRUMENTS", Package=WSON8, ComponentLink1URL=http://tunmcdsvn.tun.st.com/Component_Documentation_Library/Trunk/IC/TEXAS_INSTRUMENTS_TPS259535DSG, ID=4638, Internal_Part_Number=MCD-02532, Manufacturer_Part_Number=TPS259535DSG, Order_Code_Digikey=N/A, Order_Code_Farnell=N/A, Order_Code_RS=N/A, Part_Preference=Recommended, Part_Type=IC, ShowFields=YES, Status=Checked
U53: library part MCD-02043, "Single,  rail to rail input/ouput 880Khz operational amplifiers", Manufacturer=STMICROELECTRONICS, Manufacturer_HQ_COO=EU, Package=SOT23-5, Component_Country_Of_Origin=Malaysia, ComponentLink1URL=http://tunmcdsvn.tun.st.com/Component_Documentation_Library/Trunk/IC/STMICROELECTRONICS_TSV631AILT, ID=4143, Internal_Part_Number=MCD-02043, Manufacturer_Part_Number=TSV631AILT, Order_Code_Digikey=497-8542-1-ND, Order_Code_Farnell=1737209, Order_Code_RS=189-2129, Part_Preference=Recommended, Part_Type=IC, ShowFields=YES, Status=Checked
X1: library part MCD-01479, "Crystal, 32.768kHz, 6pF, +/-20ppm, 80K, 2.05x1.2mm", Manufacturer=NDK, Manufacturer_Part_Number=NX2012SA-32.768KHZ-EXS00A-MU00527, Package=2.05x1.2mm, BMS_Part_Number=9157049, Component_Country_Of_Origin=Unknown, ComponentLink1URL=http://tunmcdsvn.tun.st.com/Component_Documentation_Library/Trunk/Crytal_Oscillator/NDK_NX2012SA_Series, ID=3579, Internal_Part_Number=MCD-01479, Order_Code_Digikey=644-1352, Order_Code_Farnell=N/A, Order_Code_RS=N/A, Part_Preference=Recommended, Part_Type=Crystal_Osc, ShowFields=YES, Status=Released
X2: library part MCD-02343, "Oscillator, SPXO, 40Mhz, +/-50ppm, 1.8V, square wave, 1.6x1.2mm", Alternate_Manufacturer=N/A, Manufacturer=NDK, Manufacturer_Part_Number="NZ1612SH 40MHZ END5951A", Package=1.6x1.2mm, Alternate_Manufacturer_Part_Number=N/A, Component_Country_Of_Origin=Unknown, ComponentLink1URL=http://tunmcdsvn.tun.st.com/Component_Documentation_Library/Trunk/Crytal_Oscillator/NDK_NZ1612SH_Series/, ID=4449, Internal_Part_Number=MCD-02343, Order_Code_Digikey=N/A, Order_Code_Farnell=N/A, Order_Code_RS=N/A, Part_Preference=Recommended, Part_Type=Crystal_Osc, ShowFields=YES, Status=Checked
X3 X7: library part MCD-01036, "Crystal, 24MHz, 6pF, +/-20ppm, 80R, 2x1.6mm", Manufacturer=NDK, Manufacturer_Part_Number=NX2016SA-24MHZ-EXS00A-CS10820, Package=2x1.6mm, BMS_Part_Number=9157045, Component_Country_Of_Origin=Unknown, ComponentLink1URL=http://tunmcdsvn.tun.st.com/Component_Documentation_Library/Trunk/Crytal_Oscillator/NDK_NX2016SA_Series, ID=2989, Internal_Part_Number=MCD-01036, Order_Code_Digikey=644-1365, Order_Code_Farnell=N/A, Order_Code_RS=N/A, Part_Preference=Recommended, Part_Type=Crystal_Osc, ShowFields=YES, Status=Released
X4 X5 X6: library part MCD-01463, "Crystal 25Mhz, 10pF, -+50PPM, SMD", Manufacturer=NDK, Manufacturer_Part_Number=NX3225GA-25MHZ-EXS00A-CG06750, Package=3.2x2.5mm, BMS_Part_Number=9157035, Component_Country_Of_Origin=Unknown, ComponentLink1Description=Datasheet, ComponentLink1URL=http://tunmcdsvn.tun.st.com/Component_Documentation_Library/Trunk/Crytal_Oscillator/NDK_NX3225GA_Series, ID=3563, Initial_Board_Reference=MB1272B, Internal_Part_Number=MCD-01463, Order_Code_Digikey=644-1390, Order_Code_Farnell=N/A, Order_Code_RS=N/A, Part_Preference=Recommended, Part_Type=Crystal_Osc, Provided_By=SUBCO, Remark="footprint same as CRY_NX3225HA_4P", ShowFields=YES, Status=Checked

## Free pads (board coordinates)
  round 3 hole 2.2 paste-2539.97 mask+0.05: 1(62.5,123.578) 1(85.5,123.578)
  round 6 hole 3.5: 1(166.725,117.4) 7(95.954,132.163)
  round 6 hole 3.5 mask+0.05: 5(5,5) 5(5,132) 5(167,5)

## Via types
v1: diameter 0.55, hole 0.35, Top Layer to Bottom Layer, 1661 vias
v2: diameter 0.4, hole 0.2, Top Layer to Bottom Layer, tented both sides, 253 vias
v3: diameter 0.5, hole 0.2, Top Layer to Bottom Layer, 157 vias
v4: diameter 0.5, hole 0.25, Top Layer to Bottom Layer, 145 vias
v5: diameter 0.4, hole 0.2, Top Layer to Bottom Layer, 6 vias

## Nets (pads, with @x,y where several pads share a name; then routed paths per layer and width w, separated by ;. In a path a pad name is that pad's centre, name@x,y a point inside that pad or via, vN(x,y) a via of type N, cw(c..) or ccw(c..) an arc to the next point about the centre after c; other vN are vias at no path point)
1V0_AVDD_RGMII1: C301.2 C305.2 C320.2 C321.2 R309.1 U39.3 U39.8 U39.38 | length 20.5
  Top Layer w0.2: v1(83.175,24.55) U39.38@83.95,24.55 ; v1(85.4,22.325) U39.3@85.4,23.1 ; v1(87.4,22.325) U39.8@87.4,23.1
  Signal Layer 2 w0.5: v1(83.175,24.55) 83.95,24.55 85.4,23.1 v1(85.4,22.325) v1(87.4,22.325)
  Bottom Layer w0.2: v1(85.4,22.325) 85.4,22.525 C321.2@85.8,22.925 ; C320.2@87,22.925 87.4,22.525 v1(87.4,22.325)
  Bottom Layer w0.3: C301.2@82.931,26.044 C301.2@82.95,26.025 82.95,24.843 83.175,24.618 v1(83.175,24.55) 83.223,24.598 83.448,24.598 83.67,24.82 83.695,24.82 83.8,24.925 C305.2@83.8,24.95
  Bottom Layer w0.5: C301.2@82.931,26.044 82.125,26.044 81.35,26.819 81.35,30.225 83,31.875 R309.1@83.975,31.875
1V0_AVDD_RGMII2: C302.2 C306.2 C322.2 C323.2 R310.1 U38.3 U38.8 U38.38 | length 20.5
  Top Layer w0.2: v1(58.175,24.55) U38.38@58.95,24.55 ; v1(60.4,22.325) U38.3@60.4,23.1 ; v1(62.4,22.325) U38.8@62.4,23.1
  Signal Layer 2 w0.5: v1(58.175,24.55) 58.95,24.55 60.4,23.1 v1(60.4,22.325) v1(62.4,22.325)
  Bottom Layer w0.2: v1(60.4,22.325) 60.4,22.525 C323.2@60.8,22.925 ; C322.2@62,22.925 62.4,22.525 v1(62.4,22.325)
  Bottom Layer w0.3: C302.2@57.931,26.044 C302.2@57.95,26.025 57.95,24.843 58.175,24.618 v1(58.175,24.55) 58.223,24.598 58.448,24.598 58.67,24.82 58.695,24.82 58.8,24.925 C306.2@58.8,24.95
  Bottom Layer w0.5: C302.2@57.931,26.044 57.125,26.044 56.35,26.819 56.35,30.225 58,31.875 R310.1@58.975,31.875
1V0_AVDD_RGMII3: C300.2 C304.2 C318.2 C319.2 R308.1 U40.3 U40.8 U40.38 | length 20.5
  Top Layer w0.2: v1(108.175,24.55) U40.38@108.95,24.55 ; v1(110.4,22.325) U40.3@110.4,23.1 ; v1(112.4,22.325) U40.8@112.4,23.1
  Signal Layer 2 w0.5: v1(108.175,24.55) 108.95,24.55 110.4,23.1 v1(110.4,22.325) v1(112.4,22.325)
  Bottom Layer w0.2: v1(110.4,22.325) 110.4,22.525 C319.2@110.8,22.925 ; C318.2@112,22.925 112.4,22.525 v1(112.4,22.325)
  Bottom Layer w0.3: C300.2@107.931,26.044 C300.2@107.95,26.025 107.95,24.843 108.175,24.618 v1(108.175,24.55) 108.223,24.598 108.448,24.598 108.67,24.82 108.695,24.82 108.8,24.925 C304.2@108.8,24.95
  Bottom Layer w0.5: C300.2@107.931,26.044 107.125,26.044 106.35,26.819 106.35,30.225 108,31.875 R308.1@108.975,31.875
1V0_DVDD_RGMII1: C287.2 C293.2 R312.1 U39.21 | length 3.9
  Top Layer w0.2: U39.21@88.2,28 88.2,28.15 v1(88.85,28.15)
  Bottom Layer w0.3: R312.1@87.25,29.8 87.25,29.025 C287.2@87.075,28.85 87.257,28.668 87.682,28.668 88.02,28.33 88.02,28.305 88.175,28.15 v1(88.85,28.15)
1V0_DVDD_RGMII2: C288.2 C295.2 R313.1 U38.21 | length 3.9
  Top Layer w0.2: U38.21@63.2,28 63.2,28.15 v1(63.85,28.15)
  Bottom Layer w0.3: R313.1@62.25,29.8 62.25,29.025 C288.2@62.075,28.85 62.257,28.668 62.682,28.668 63.02,28.33 63.02,28.305 63.175,28.15 v1(63.85,28.15)
1V0_DVDD_RGMII3: C286.2 C291.2 R311.1 U40.21 | length 3.9
  Top Layer w0.2: U40.21@113.2,28 113.2,28.15 v1(113.85,28.15)
  Bottom Layer w0.3: R311.1@112.25,29.8 112.25,29.025 C286.2@112.075,28.85 112.257,28.668 112.682,28.668 113.02,28.33 113.02,28.305 113.175,28.15 v1(113.85,28.15)
1V0_RGMII1: C121.2 C124.2 LE2.2 R309.2 R312.2 | length 6.9
  Top Layer w0.5: LE2.2@82.925,31.875 C124.2@85.15,31.875 C121.2@86.275,31.875 v1(87.25,31.875)
  Bottom Layer w0.3: R312.2@87.25,31.2 v1(87.25,31.875)
  Bottom Layer w0.5: R309.2@85.375,31.875 v1(87.25,31.875)
1V0_RGMII2: C120.2 C123.2 LE1.2 R310.2 R313.2 | length 6.9
  Top Layer w0.5: LE1.2@57.925,31.875 C123.2@60.15,31.875 C120.2@61.275,31.875 v1(62.25,31.875)
  Bottom Layer w0.3: R313.2@62.25,31.2 v1(62.25,31.875)
  Bottom Layer w0.5: R310.2@60.375,31.875 v1(62.25,31.875)
1V0_RGMII3: C122.2 C125.2 LE3.2 R308.2 R311.2 | length 6.9
  Top Layer w0.5: LE3.2@107.925,31.875 C125.2@110.15,31.875 C122.2@111.275,31.875 v1(112.25,31.875)
  Bottom Layer w0.5: R308.2@110.375,31.875 v1(112.25,31.875) R311.2@112.25,31.2
1V5_PCIE: C266.1 C267.1 C272.1 CN13.6 CN13.28 CN13.48 R69.2 | length 7.9
  Top Layer w0.5: CN13.48@147.2,34.7 v1(148.612,34.7) ; CN13.28@147.2,42.7 v1(148.612,42.7) ; CN13.6@147.2,54.7 v1(148.612,54.7)
  Top Layer w0.6: v1(151.609,62.875) v1(152.309,62.875) R69.2@153.05,62.875
  Bottom Layer w0.3: C272.1@147.9,34.85 148.462,34.85 v1(148.612,34.7) ; C266.1@147.9,54.55 148.462,54.55 v1(148.612,54.7) ; C267.1@147.95,42.8 148.512,42.8 v1(148.612,42.7)
1V8: C1.2 C178.2 C179.2 C190.2 C191.2 C193.2 C194.2 C206.2 C212.2 C246.2 C253.2 CN3.60 LNK1.2 LNK3.2 R35.2 R37.2 R44.2 R49.2 R248.2 R267.2 R269.1 U24.C6 U24.M4 U24.N4 U24.P3 U24.P5 U27.C4 U27.C7 U27.F6 U27.F10 U27.G17 U27.J16 U27.K8 U27.L8 U27.U17 U27.W18 U53.5 | length 69
  Top Layer w0.2: LNK3.2@50.855,90.695 LNK3.2@50.855,90.725 R35.2@50.855,91.777 50.882,91.75 LNK1.2@51.75,91.75 ; v2(87.6,79.6) U27.C4@88,79.2 v2(87.6,79.6) ; v2(89.2,77.2) U27.F6@89.6,76.8 ; U27.C7@90.4,79.2 90.415,79.185 90.415,79.02 v2(90.66,78.775) ; U27.L8@91.2,72.8 91.175,72.8 v2(90.8,73.175) 91.2,73.575 U27.K8@91.2,73.6 ; v2(91.624,77.173) 92.413,77.173 92.786,76.8 U27.F10@92.8,76.8 ; U27.J16@97.6,74.4 97.627,74.4 97.927,74.7 v2(97.975,74.7) 98,74.725 98,75.6 U27.G17@98.4,76 ; U27.U17@98.4,68 v2(98.8,67.6) ; v2(98.868,66.067) U27.W18@99.2,66.4 ; v1(102.23,91.5) R37.2@102.975,91.5 ; v1(103.1,84.783) R44.2@103.1,85.528 ; U24.C6@108.275,89.85 108.452,90.027 108.727,90.027 v1(108.775,90.075) ; v1(112.25,88.85) U24.M4@112.775,88.85 U24.N4@113.275,88.85 ; U24.P3@113.775,88.35 113.975,88.15 v1(114.35,88.15) ; U24.P5@113.775,89.35 114.005,89.58 114.23,89.58 v1(114.25,89.6) ; R49.2@114.625,83.685 v1(115.35,83.685)
  Top Layer w0.3: v1@55.263,59.687 U53.5@55.263,60.838 ; CN3.60@136.3,125.87 C1.2@136.3,127.796 v1(136.3,128.471)
  Signal Layer 3 w0.5: v1(55.25,59.675) 56.2,58.725 63.325,58.725 64.375,59.775 71.975,59.775 74.325,57.425 v1(75.35,57.425)
  Signal Layer 4 w0.3: v2@97.956,74.719 v2(97.975,74.7)
  Bottom Layer w0.09: v2@97.87,74.805 v2(97.975,74.7)
  Bottom Layer w0.17: C246.2@97.35,67.825 97.415,67.89 97.44,67.89 97.56,68.01 98.39,68.01 v2(98.8,67.6)
  Bottom Layer w0.2: v1(79,69.775) 79.018,69.793 79.448,69.793 79.668,70.013 R269.1@79.763,70.013 ; v1(82.275,69.9) 82.75,70.375 R267.2@86.35,70.375 ; C212.2@90.25,73.775 90.25,73.725 v2(90.8,73.175) ; v2(90.66,78.775) 90.66,78.79 90.825,78.955 C190.2@90.825,79.375 ; C253.2@98.85,65.55 98.85,66.05 v2(98.868,66.067)
  Bottom Layer w0.3: C191.2@87.175,79.175 v2(87.6,79.6) ; C193.2@91.6,77.7 91.6,77.224 91.624,77.2 v2(91.624,77.173) ; C206.2@97.555,74.91 97.765,74.91 v2@97.87,74.805 ; R248.2@111.675,87.95 112.241,88.516 112.241,88.841 v1(112.25,88.85) ; C178.2@113.275,89.55 114.132,89.55 114.182,89.6 v1(114.25,89.6) ; v1(114.35,88.15) 114.418,88.15 114.543,88.025 C179.2@115.225,88.025
  Bottom Layer w0.4: C194.2@88.675,77.2 v2(89.2,77.2)
  Bottom Layer w0.5: v1(75.35,57.425) 75.35,63.25 77.125,65.025 77.125,68.875 78.025,69.775 v1(79,69.775)
  other v1: 50.7,92.725 51.4,92.725
1V8_FB: LNK1.1 U26.35 | length 13.5
  Top Layer w0.15: U26.35@47.9,81.797 47.9,86.2 48.7,87 51.975,87 52.375,87.4 52.375,89.3 51.75,89.925 LNK1.1@51.75,91.3
3V3: C2.2 C7.2 C15.2 C57.2 C58.2 C59.2 C60.2 C69.1 C96.2 C174.2 C175.2 C265.1 C268.1 C269.2 C273.2 C274.1 C275.2 C276.2 C277.2 C283.2 C284.2 C285.2 C334.1 C335.1 CN2.3 CN2.4 CN3.36 CN4.22 CN5.1 CN5.17 CN13.2 CN13.24 CN13.39 CN13.41 CN13.52 CN25.7 L7.2 L9.2 L10.2 L11.2 L13.2 L14.2 L15.2 R1.1 R3.1 R4.1 R9.1 R19.2 R20.2 R23.2 R33.2 R50.1 R55.1 R57.1 R86.1 R92.1 R97.2 R99.2 R100.2 R103.2 R104.1 R106.2 R157.2 R171.2 R172.1 R224.2 R228.2 U22.B4 U23.5 U26.53 U31.5 U34.5 U34.10 U34.15 U34.23 U34.29 U34.36 U50.2 | length 82.3